# Altium PCB S7CAS-PLEIADES-CARTE-MERE_Pxx.PcbDoc (part 8 of 8)
Units mil, origin at the board's own origin, x right, y up, seen from the top; angles counter-clockwise.
Board outline 8000 x 4000 mil, 14 copper layers (L1, L2 (GND), L3, L4 (GND), L5, L6 (GND), L7 (PWR), L8 (GND), L9 (PWR), L10 (GND), L11 (GND), L12, L13 (GND), L14), stack 81.971 mil thick; 686 components, 434 nets, 2811 pads, 1136 vias.
Unrouted connection lines stored in the file: 1167.
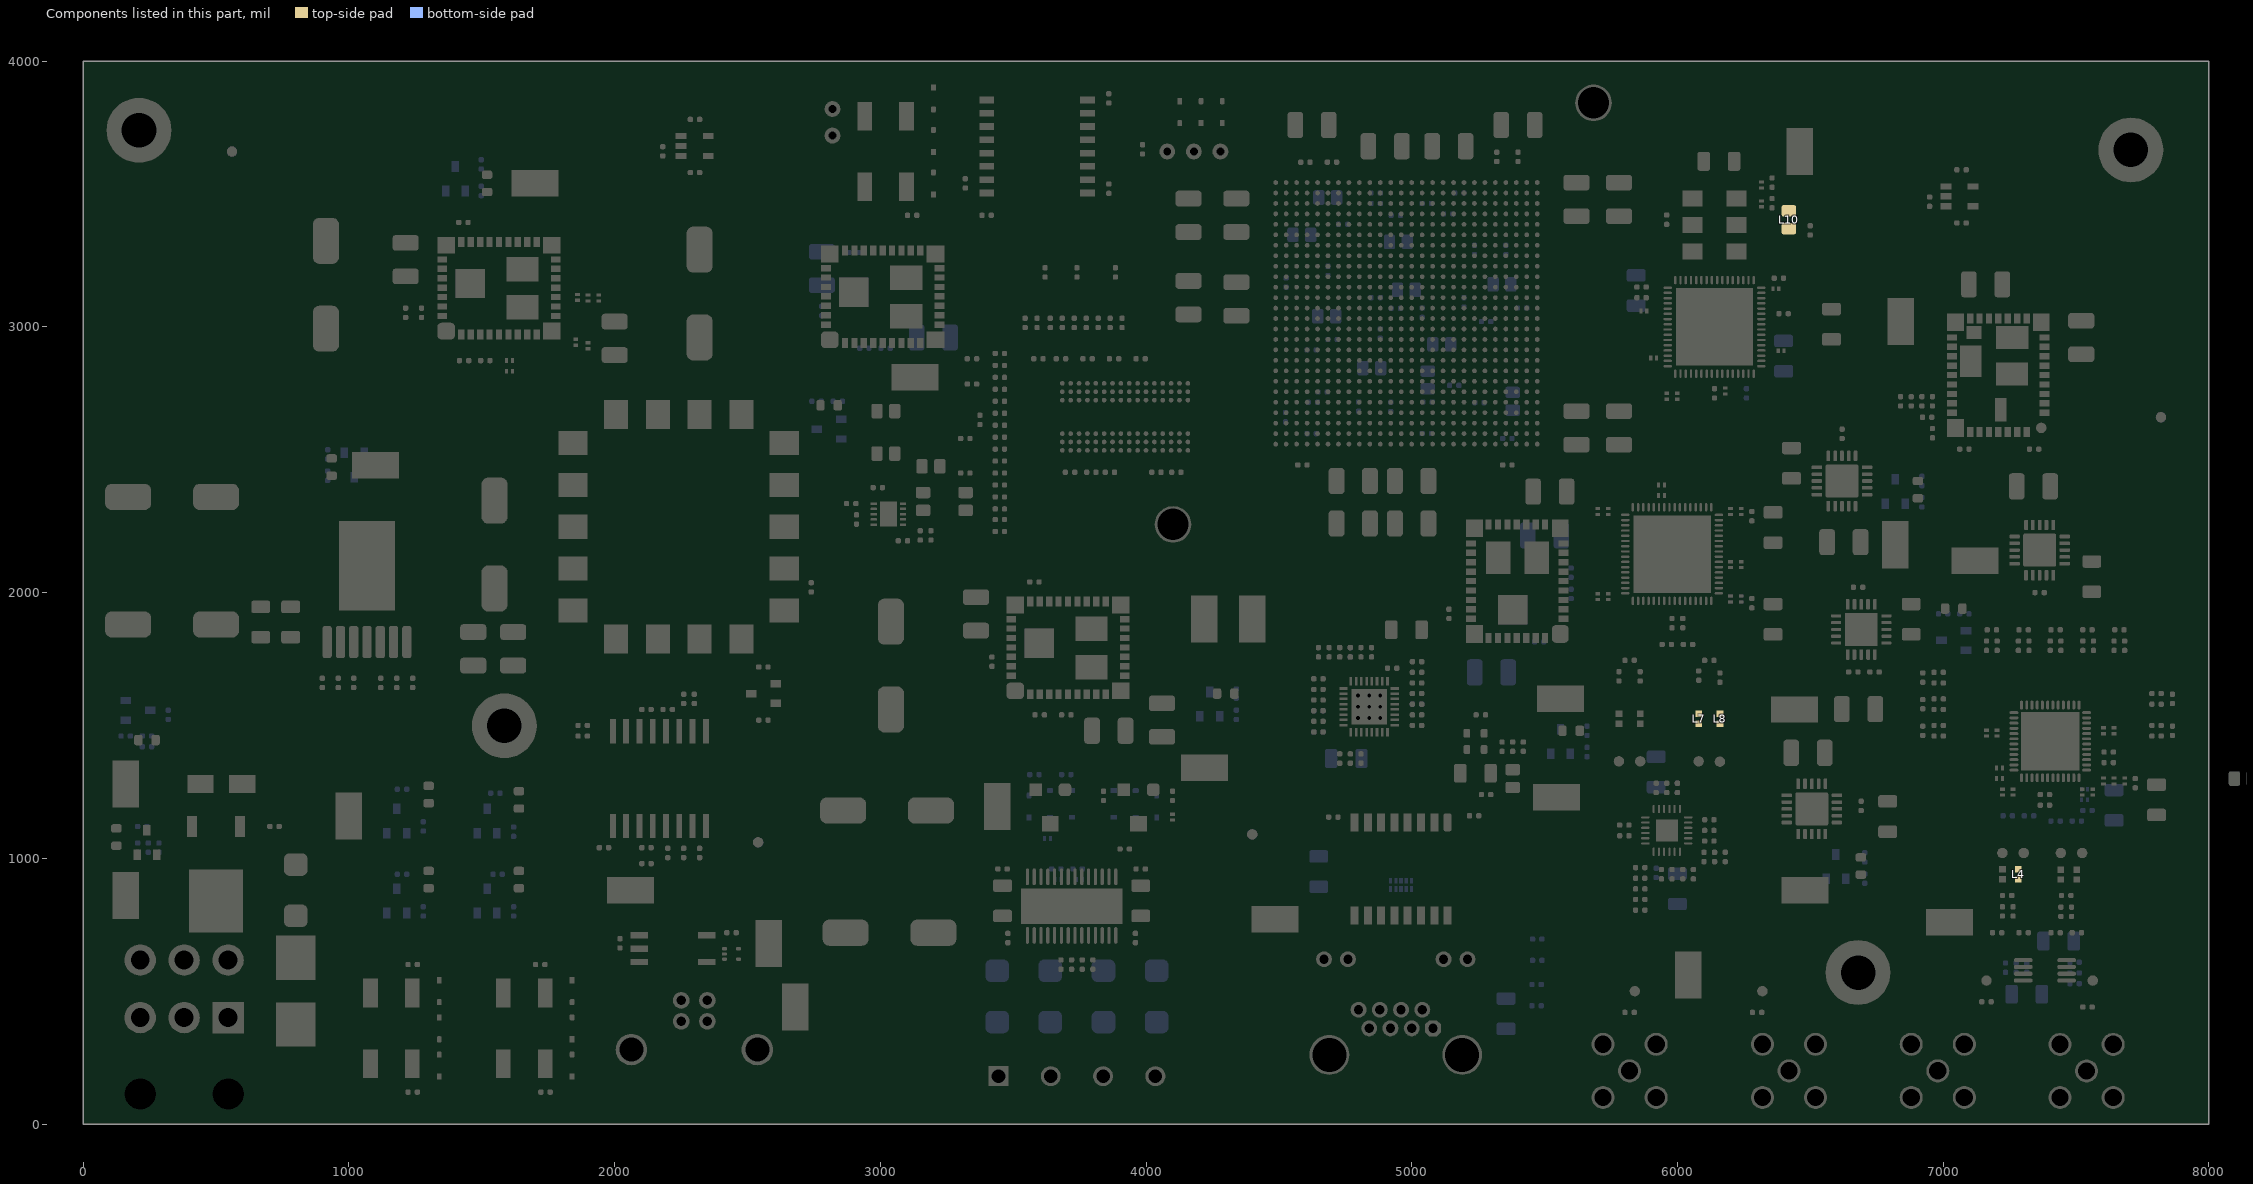
[diagram p19: the components of this part, seen from the top]

## Polygon pours and split planes (outlines as drawn) (continued)
ISOL2_GND on L8 (GND) "ISOL2_GND_L08_P013" (solid, pour order 13): 4350,800 4465,915 4475,905 4765,905 4765,915 4800,950 5410,950 5575,785 5575,50 4350,50
ISOL_GND on L8 (GND) "ISOL_GND_L08_P045" (solid, pour order 45): 2000,75 2000,625 1975,625 1850,750 1850,1175 1950,1275 2600,1275 2675,1200 2675,625 2775,525 2775,75
GND on L4 (GND) "GND_L04_P125" (solid, pour order 125): 20,3990 7990,3990 7990,20 7970,0 -10,0
ISOL2_GND on L4 (GND) "ISOL2_GND_L04_P014" (solid, pour order 21): 4350,800 4465,915 4475,905 4765,905 4765,915 4800,950 5410,950 5575,785 5575,50 4350,50
ISOL_GND on L4 (GND) "ISOL_GND_L04_P043" (solid, pour order 43): 2000,75 2000,625 1975,625 1850,750 1850,1175 1950,1275 2600,1275 2675,1200 2675,625 2775,525 2775,75
GND on L13 (GND) "GND_L13_P130" (solid, pour order 130): -20,4010 8010,4010 8020,4000 8010,3990 8010,-30 -30,-30
ISOL_GND on L13 (GND) "ISOL_GND_L13_P019" (solid, pour order 19): 4350,800 4465,915 4475,905 4765,905 4765,915 4800,950 5410,950 5575,785 5575,50 4350,50
ISOL2_GND on L13 (GND) "ISOL2_GND_L13_P047" (solid, pour order 47): 2000,75 2000,625 1975,625 1850,750 1850,1175 1950,1275 2600,1275 2675,1200 2675,625 2775,525 2775,75
5V5 on L7 (PWR) "5V5_L07_P124" (solid, pour order 124): 25,3970 7975,3970 7980,3965 7980,25 5600,25 5594.17,30.83 5594.17,810.83 5415.29,989.71 4779.71,989.71 4740,950 4440,950 4440,940 4296.22,796.22 4296.22,6.7 2838.3,6.7 2810,35 2810,560 2805,560 2710,655 2722.91,667.91 2722.91,1232.09 2615,1340 2605,1330 1950,1330 1950,1315 1795,1160 1795,745 1797.64,745 1950,592.64 1950,13.28 41.72,13.28 35,20
1V8_DIGITAL on L7 (PWR) "1V8_DIGITAL_L07_P120" (solid, pour order 120): 6250,1795 6857.5,1795 7052.5,1795 7052.5,1850 7945,1850 7945,70 7925,50 5630,50 5630,1283.22 5623.22,1290 5629.01,1290
1V8_DIGITAL on L7 (PWR) "1V8_DIGITAL_L07_P119" (solid, pour order 119): 5397.5,2447.5 5385,2435 5385,1580 5445,1520 5455,1530 5700,1530 5700,1380 5630,1310 5440,1310 5440,1015 5640,815 5750,815 5750,1295 5770,1315 5810,1275 6335,1275 6335,2470 6340,2475
-5V on L7 (PWR) "-5V_L07_P105" (solid, pour order 105): 6200,1295 6200,1640 6315,1640 6315,1815.96 6324.04,1825 6625,1825 6625,1815 6655,1785 6655,1335 6660,1330 6920,1330 6920,645 7700,645 7710,635 7710,500 6075,500 5842.5,503.69 5842.5,1295
3V3_DIGITAL on L7 (PWR) "3V3_DIGITAL_L07_P116" (solid, pour order 116): 4448.81,3574.3 5499.3,3574.3 5510,3585 5511.8,3583.2 5511.8,2516.8 4455.82,2516.8 4448.81,2523.81
5V5 on L7 (PWR) "5V5_L07_P101" (solid, pour order 101): 1185,1900 1190,1725 1205,1710 1325,1710 1400,1785 1720,1785 1720,2705 845,2705 845,2040 970,1915
-7V on L7 (PWR) "-7V_L07_P108" (solid, pour order 108): 6960,2640 6970,2650 6970,2702.5 7057.5,2702.5 7065,2695 7075,2705 7075,2770 7185,2770 7185,3245 7648.47,3245 7650,3243.47 7645,3238.47 7645,2635
-7V on L7 (PWR) "-7V_L07_P107" (solid, pour order 107): 6560,2050 6980,2050 6980,1985 6950,1985 6945,1990 6940,1985 6940,1890 6835,1890 6830,1885 6825,1890 6825,1930 6635,1930 6630,1935 6622.5,1927.5 6622.5,1902.5 6562.5,1902.5 6560,1900
-7V on L7 (PWR) "-7V_L07_P106" (solid, pour order 106): 7480,2640 7480,2510 7270,2510 6980,2220 6980,1985 6890,1985 6890,2285 6925,2285 6970,2330 6960,2340 6960,2629.73 6960,2640
-5V on L7 (PWR) "-5V_L07_P102" (solid, pour order 102): 5760,1030 5855,1030 5855,1085 5905,1085 5905,1150.84 5909.16,1155 5980,1155 5980,1215 6205,1215 6205,1285 6195,1295 5760,1295
24V_PROTECTED on L7 (PWR) "24V_PROTECTED_L07_P056" (solid, pour order 56): 75,2675 825,2675 825,2050 950,1925 950,1628.8 948.7,1627.5 950,1626.2 950,1625 1150,1425 3325,1425 3325,900 3925,900 3925,1000 4250,1000 4250,50 2850,50 2850,550 2750,650 2750,1250 2644.69,1355.31 1930.31,1355.31 1775,1200 1775,725 1800,725 1925,600 1925,50 1100,50 1100,1050 100,1025 75,1050 100,1025
24V_PROTECTED on L7 (PWR) "24V_PROTECTED_L07_P041" (solid, pour order 41): 2975,1350 2975,50 4225,50 4225,1000 3925,1000 3925,900 3350,900 3325,900 3325,1350
24V_PROTECTED on L7 (PWR) "24V_PROTECTED_L07_P040" (solid, pour order 40): 75,1050 75,2675 825,2675 825,2050 950,1925 950,1625 1100,1475 1100,1050
24V_RAW on L7 (PWR) "24V_RAW_L07_P035" (solid, pour order 35): 1050,1000 1050,50 50,50 50,1000
POWER_MOS_MID on L7 (PWR) "POWER_MOS_MID_L07_P032" (solid, pour order 32): 350,1000 700,1000 1050,1000 1050,500 650,500 650,700 350,700
no net on L10 (GND) "NONET_L10_P128" (solid, pour order 128): -20,4010 8010,4010 8010,-40 -10,-40 -40,-10
ISOL_GND on L10 (GND) "ISOL_GND_L10_P054" (solid, pour order 54): 2000,75 2000,625 1975,625 1850,750 1850,1175 1950,1275 2600,1275 2675,1200 2675,625 2775,525 2775,75
ISOL_GND on L10 (GND) "ISOL_GND_L10_P017" (solid, pour order 17): 4350,800 4465,915 4475,905 4765,905 4765,915 4800,950 5410,950 5575,785 5575,50 4350,50

## Keep-outs
Keep-Out Layer:
  lines w50: 1946.01,0 1950,3.99 1950,600 1800,750 1800,1175 1950,1325 2625,1325 2725,1225 2725,650 2825.27,549.73 2825.27,0 ; 4300,0 4300,800 4450,950 4749.24,950 4750,950 4783.21,983.21 5416.79,983.21 5450,950 5600,800 5600,3.58 5596.42,0
  lines w100: 0,0 8000,0 8000,4000 0,4000 0,0

## Silkscreen, mask and mechanical layers (free items; w line width, h text height)
Top Overlay:
  rectangle: -1361.38,660.75 -852.79,964.02
  lines w5: -1620,1960 -1620,2200 -530,2200 -530,1960 -1620,1960
  text "3V3 XTAL" at 6617.8,3554.79 h40 r90
  text "RFUSE PROG" at 4059.84,3528.19 h40
  text "RFUSE IDLE" at 4199.84,3528.19 h40
  text "RESET" at 2972.71,3404.39 h40
  text "3V3" at 1622.31,3378.17 h60
  text "-7V" at 6995,2908.84 h60 r90
  text "1V2" at 2768.83,2805 h60
  text "6MM / MY BAD...." at 4435.84,2474.13 h100 r90
  text "5V5" at 976.66,2328.36 h60
  text "3V3 ADC" at 6839.4,2288.72 h60 r90
  text ".Project_Name" at -2028.77,2200 h78.74
  text "3V3 DAC" at 6994.36,1990.3 h60
  text ".Project_Global" at -1578.77,1980 h39.37
  text ".Project_Revision" at -1440,1806.31 h40
  text "Revision" at -1343.7,1806.31 h40
  text ".Project_DateCode" at -1410,1740 h40
  text "1V5" at 4148.83,1705 h60
  text "GND" at 4346.36,1702.2 h40
  text "1V8" at 5448.83,1685 h60
  text "-5V" at 6410.78,1646.28 h60
  text "Designed by:" at -1366,1600 h36
  text ".Project_Designer1" at -1413.15,1550.76 h36
  text "-" at 5755.34,1420 h40
  text "+" at 5835.34,1420 h40
  text "-" at 6055.34,1420 h40
  text "+" at 6135.34,1420 h40
  text "Decay" at 3992.71,1319.39 h40
  text "GND" at 5749.27,1178.54 h40 r90
  text "24V PROT." at 317.8,1174.79 h40 r90
  text "REF" at 3775.61,1072.71 h40 r90
  text "-" at 7078.65,1000 h40
  text "-" at 7598.65,1000 h40
  text "+" at 7658.65,1000 h40
  text "+" at 6815.34,980 h40
  text "5V ANALOG" at 6368.72,960.6 h60
  text "GND" at 948.54,955.73 h40
  text "Serial #" at -1364.6,947.17 h39.37
  text "GND / ISOL2" at 4431.36,842.2 h40
  text "GND" at 7000.98,840 h40
  text "24V RAW" at 317.8,754.79 h40 r90
  text "3V3 / ISOL" at 1912.01,724.49 h40
  text "GND" at 5986.36,682.2 h40
  text "GND / ISOL" at 2733.4,586.88 h40 r90
  text "ADC CHAN2" at 5726.36,562.2 h40
  text "ADC CHAN1" at 6286.36,562.2 h40
  text "DAC 1" at 7663.31,497.67 h40 r90
  text "DAC 2" at 7103.31,475.34 h40 r90
  text "VBUS" at 2837.8,367.39 h40 r90
  text "DBG1" at 1092.71,104.39 h40
  text "DBG2" at 1592.71,104.39 h40
  text "TRACE MOTEUR 2A MAX / 0.5Oz CU 50 MILS SINGLE LAYER OU 20 MILS SI ROUTE 2 LAYER AVEC STITCHING VIA" at 4195,95 h70
  text "1   2   3   4 / B1 B2 A1 A2" at 3253.05,90 h70 r90
  text "TRACE MOTEUR 2A MAX / 0.5Oz CU 50 MILS SINGLE LAYER OU 20 MILS SI ROUTE 2 LAYER AVEC STITCHING VIA" at 5315,85 h70
Board Outline:
  the board outline again, w10

## Text inside footprints (layer, text, board x,y; h text height)
C235: Drill Guide "Verified by : Alexandre Imbeault" at 14430.63,838.5 h31.5; Drill Guide "Created by : Alexandre Gaudet" at 14429.65,871.97 h31.5; Drill Guide "Date : 2013-04-17" at 14431.61,807.01 h31.5
C236: Drill Guide "Verified by : Alexandre Imbeault" at 15030.63,838.5 h31.5; Drill Guide "Created by : Alexandre Gaudet" at 15029.65,871.97 h31.5; Drill Guide "Date : 2013-04-17" at 15031.61,807.01 h31.5
C237: Drill Guide "Verified by : Alexandre Imbeault" at 15758.74,563.82 h39.37; Drill Guide "Created by : Alexandre Gaudet" at 15758.7,609.09 h39.37; Drill Guide "Date : 2013-04-17" at 15758.7,519.53 h39.37
D18: Top Overlay "+" at 1280.31,860.94 h19.68 r90
D19: Top Overlay "+" at 1620.31,1160.94 h19.68 r90
D20: Top Overlay "+" at 1620.31,860.94 h19.68 r90
D21: Top Overlay "+" at 1280.31,1180.94 h19.68 r90
D31: Top Overlay "+" at 6885.31,2328.44 h19.68 r90
D32: Top Overlay "+" at 7099.06,1920.31 h19.68 r180
D33: Top Overlay "+" at 6670.76,911.92 h19.68 r90
D34: Top Overlay "+" at 954.69,2531.56 h19.68 r270
D35: Top Overlay "+" at 2866.56,2685.31 h19.68 r180
D36: Top Overlay "+" at 5540.94,1499.69 h19.68
D37: Top Overlay "+" at 4240.94,1639.69 h19.68
D38: Top Overlay "+" at 1500.31,3480.94 h19.68 r90
D39: Top Overlay "+" at 180.94,1464.69 h19.68
D40: Top Overlay "+" at 105.31,1020.94 h19.68 r90
J8: Top Overlay "1" at 3281.57,380 h65; Top Assembly (Mech10) "INSERT WIRES ON THIS SIDE" at 3354.17,-24.72 h31.5
J10: Top Overlay "*" at 5305,90 h65
U21: Top 3D Models "The 3D model is a 39pin instead of 41. For package representation only" at 7350.75,2669.06 h3.94 r90
U24: Top Overlay "LAN ISOL" at 4853,950 h30